# Altium PCB GN-1846-A-V2.PcbDoc (part 2 of 4) (continued)
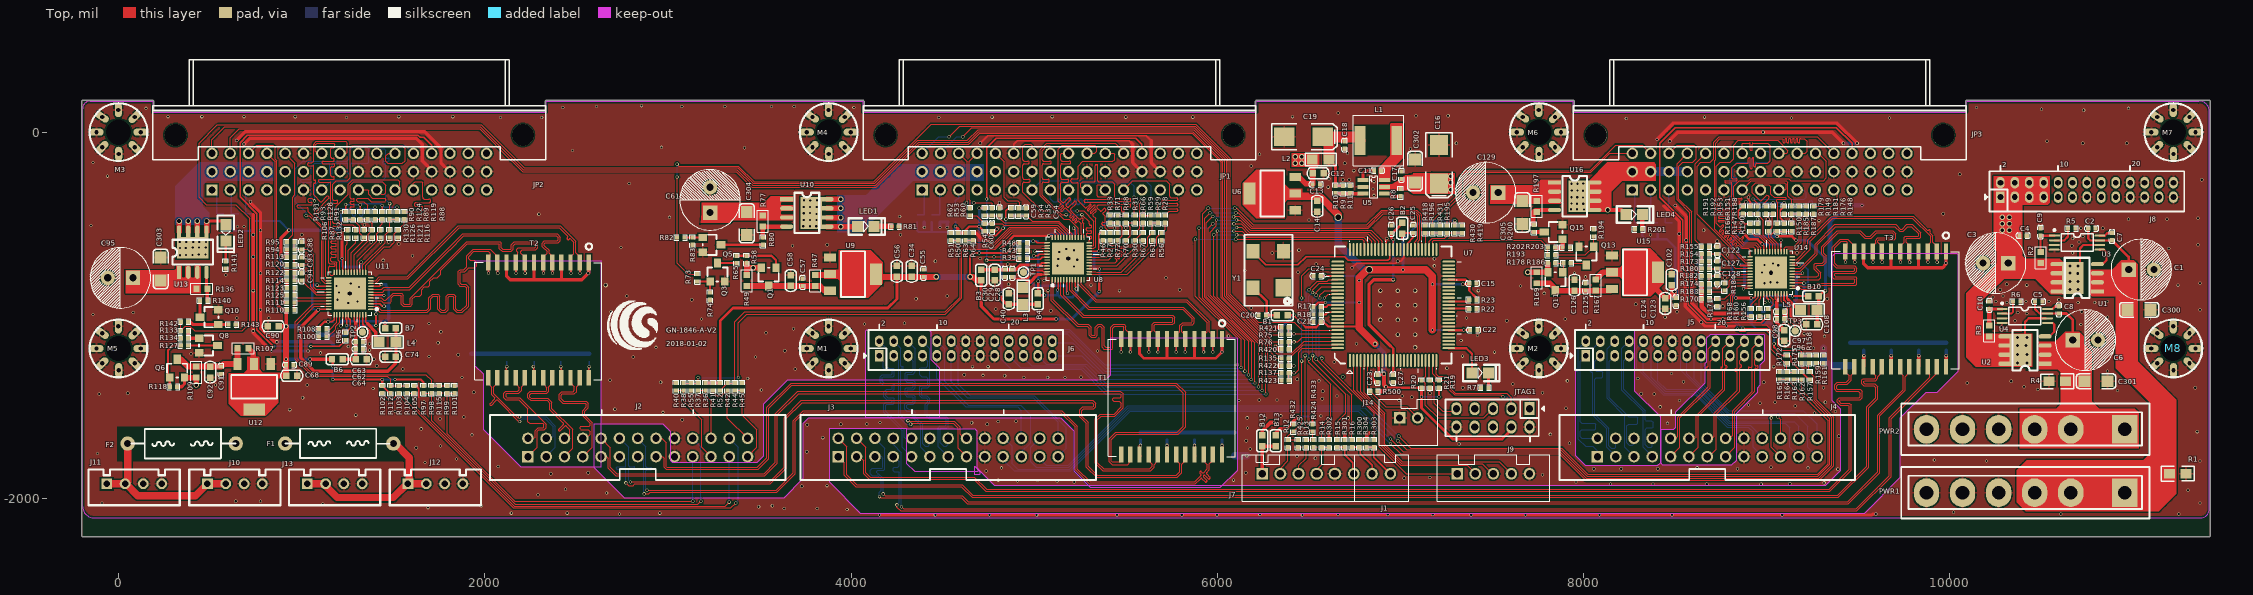
[diagram p0: Top view]
## Nets (pads, with @x,y where several pads share a name; then routed paths per layer and width w, separated by ;. In a path a pad name is that pad's centre, name@x,y a point inside that pad or via, vN(x,y) a via of type N, cw(c..) or ccw(c..) an arc to the next point about the centre after c; other vN are vias at no path point) (continued)
BRGMII_RXD3: JP2.C10 R93.1 | length 541.2
  Top w5: R93.1@1280,-435 1265,-420 1265,-412.75 cw(c1270.25,-412.75) 1270.25,-407.5 1282.75,-407.5 ccw(c1282.75,-402.25) 1288,-402.25 1288,-397.75 ccw(c1282.75,-397.75) 1282.75,-392.5 1270.25,-392.5 cw(c1270.25,-387.25) 1265,-387.25 1265,-382.75 cw(c1270.25,-382.75) 1270.25,-377.5 1282.75,-377.5 ccw(c1282.75,-372.25) 1288,-372.25 1288,-367.75 ccw(c1282.75,-367.75) 1282.75,-362.5 1270.25,-362.5 cw(c1270.25,-357.25) 1265,-357.25 1265,-290 1285,-270 1440,-270 1460,-290 1460,-330 1450,-340 1434.32,-340 JP2.C10@1409.84,-315.52
BRGMII_RXDV: JP2.C12 R88.1 | length 502.3
  Top w5: R88.1@1560,-435 1650,-435 1660,-425 1660,-410 ccw(c1655,-410) 1655,-405 1625,-405 cw(c1625,-395) 1615,-395 cw(c1625,-395) 1625,-385 1695,-385 ccw(c1695,-375) 1705,-375 ccw(c1695,-375) 1695,-365 1670,-365 cw(c1670,-355) 1660,-355 1660,-275 1655,-270 1620,-270 1609.84,-280.16 JP2.C12@1609.84,-315.52
BRGMII_TXCKOUT: JP2.A11 U11.22 | length 1455.4
  Top w5: U11.22@1208.03,-765.88 1208.03,-708.03 1200,-700 1200,-560 1170,-530 1170,-517.75 cw(c1175.25,-517.75) 1175.25,-512.5 1201.19,-512.5 ccw(c1201.19,-507.25) 1206.44,-507.25 1206.44,-502.75 ccw(c1201.19,-502.75) 1201.19,-497.5 1175.25,-497.5 cw(c1175.25,-492.25) 1170,-492.25 1170,-392.75 cw(c1175.25,-392.75) 1175.25,-387.5 1191.19,-387.5 ccw(c1191.19,-382.25) 1196.44,-382.25 1196.44,-377.75 ccw(c1191.19,-377.75) 1191.19,-372.5 1175.25,-372.5 cw(c1175.25,-367.25) 1170,-367.25 1170,-285 1190,-265 1250,-265 1265,-250 1265,-85 1275,-75 1550,-75 1565,-90 1565,-155 1550,-170 1470,-170 1460,-160 1460,-130 1474.48,-115.52 JP2.A11@1509.84,-115.52
BRGMII_TXD0: JP2.A7 U11.23 | length 1465.2
  Top w5: JP2.A7@1109.84,-115.52 1085.52,-115.52 1075,-105 1075,-69.14 1084.14,-60 1175,-60 1180,-65 1180,-80 1175,-85 1165,-85 1160,-90 1160,-137.25 ccw(c1165.25,-137.25) 1165.25,-142.5 1173.27,-142.5 cw(c1173.27,-147.75) 1178.52,-147.75 1178.52,-152.25 cw(c1173.27,-152.25) 1173.27,-157.5 1118.24,-157.5 ccw(c1118.24,-162.75) 1112.99,-162.75 1112.99,-167.25 ccw(c1118.24,-167.25) 1118.24,-172.5 1174.22,-172.5 cw(c1174.22,-177.75) 1179.47,-177.75 1179.47,-182.25 cw(c1174.22,-182.25) 1174.22,-187.5 1165.25,-187.5 ccw(c1165.25,-192.75) 1160,-192.75 1160,-237.25 ccw(c1165.25,-237.25) 1165.25,-242.5 1173.27,-242.5 cw(c1173.27,-247.75) 1178.52,-247.75 1178.52,-252.25 cw(c1173.27,-252.25) 1173.27,-257.5 1096.52,-257.5 1093.4,-260.63 1093.4,-270.1 1095.79,-272.5 1154.75,-272.5 cw(c1154.75,-277.75) 1160,-277.75 1160,-542.25 ccw(c1165.25,-542.25) 1165.25,-547.5 1171.19,-547.5 cw(c1171.19,-552.75) 1176.44,-552.75 1176.44,-557.25 cw(c1171.19,-557.25) 1171.19,-562.5 1165.25,-562.5 ccw(c1165.25,-567.75) 1160,-567.75 1160,-572.25 ccw(c1165.25,-572.25) 1165.25,-577.5 1184.75,-577.5 cw(c1184.75,-582.75) 1190,-582.75 1190,-587.25 cw(c1184.75,-587.25) 1184.75,-592.5 1165.25,-592.5 ccw(c1165.25,-597.75) 1160,-597.75 1160,-602.25 ccw(c1165.25,-602.25) 1165.25,-607.5 1184.75,-607.5 cw(c1184.75,-612.75) 1190,-612.75 1190,-617.25 cw(c1184.75,-617.25) 1184.75,-622.5 1165.25,-622.5 ccw(c1165.25,-627.75) 1160,-627.75 1160,-632.25 ccw(c1165.25,-632.25) 1165.25,-637.5 1184.75,-637.5 cw(c1184.75,-642.75) 1190,-642.75 1190,-647.25 cw(c1184.75,-647.25) 1184.75,-652.5 1165.25,-652.5 ccw(c1165.25,-657.75) 1160,-657.75 1160,-662.25 ccw(c1165.25,-662.25) 1165.25,-667.5 1184.75,-667.5 cw(c1184.75,-672.75) 1190,-672.75 1190,-677.25 cw(c1184.75,-677.25) 1184.75,-682.5 1165.25,-682.5 ccw(c1165.25,-687.75) 1160,-687.75 1160,-702.5 1164.18,-706.68 1186.68,-706.68 1192.28,-712.28 U11.23@1192.28,-765.88
BRGMII_TXD1: JP2.A8 U11.24 | length 1432.9
  Top w5: 1084.72,-438.82 1081.54,-435.63 cw(c1085.25,-431.92) 1081.53,-428.22 1148.46,-361.28 ccw(c1144.75,-357.57) 1148.47,-353.87 1145.28,-350.68 ; 1084.73,-438.83 ccw(c1088.43,-435.1) 1092.13,-438.83 ; 1092.14,-438.82 1137.86,-393.1 cw(c1141.57,-396.81) 1145.27,-393.09 ; 1137.86,-350.68 1109.65,-378.88 cw(c1105.94,-375.17) 1102.23,-378.89 1065,-341.66 1065,-282.75 cw(c1070.25,-282.75) 1070.25,-277.5 1072.75,-277.5 ccw(c1072.75,-272.25) 1078,-272.25 1078,-267.75 ccw(c1072.75,-267.75) 1072.75,-262.5 1070.25,-262.5 cw(c1070.25,-257.25) 1065,-257.25 1065,-185 ccw(c1062.5,-185) 1062.5,-182.5 1037.25,-182.5 cw(c1037.25,-177.25) 1032,-177.25 1032,-172.75 cw(c1037.25,-172.75) 1037.25,-167.5 1055,-167.5 1065,-157.5 1065,-65 1080,-50 1240,-50 1250,-60 1250,-110 1244.48,-115.52 JP2.A8@1209.84,-115.52 ; 1137.87,-350.67 cw(c1141.57,-354.39) 1145.27,-350.67 ; 1141.47,-418.13 1148.34,-425 1148.34,-712.25 ccw(c1153.59,-712.25) 1153.59,-717.5 1177.03,-717.5 cw(c1177.03,-722.75) 1182.28,-722.75 1182.28,-727.25 cw(c1177.03,-727.25) 1177.03,-732.5 1153.59,-732.5 ccw(c1153.59,-737.75) 1148.34,-737.75 1148.34,-768.34 1160,-780 1170,-780 1176.54,-773.46 U11.24@1176.54,-765.88 ; 1141.46,-418.12 cw(c1145.18,-414.42) 1141.46,-410.71 1148.46,-403.71 ccw(c1144.75,-400) 1148.47,-396.29 1145.28,-393.1
BRGMII_TXD2: JP2.A9 U11.25 | length 1458.2
  Top w5: v1(1070,-405) 1070,-445 1130.39,-505.39 1130.39,-789.61 1135,-794.23 U11.25@1148.19,-794.23
  Bottom w5: v1(1070,-405) 1053.5,-388.5 1053.5,-277.75 ccw(c1048.25,-277.75) 1048.25,-272.5 1000.75,-272.5 cw(c1000.75,-267.25) 995.5,-267.25 995.5,-262.75 cw(c1000.75,-262.75) 1000.75,-257.5 1051,-257.5 ccw(c1051,-255) 1053.5,-255 1053.5,-186.5 1070,-170 1147.25,-170 cw(c1147.25,-175.25) 1152.5,-175.25 1152.5,-222.75 ccw(c1157.75,-222.75) 1157.75,-228 1162.25,-228 ccw(c1162.25,-222.75) 1167.5,-222.75 1167.5,-175.25 cw(c1172.75,-175.25) 1172.75,-170 1247.25,-170 cw(c1247.25,-175.25) 1252.5,-175.25 1252.5,-222.75 ccw(c1257.75,-222.75) 1257.75,-228 1262.25,-228 ccw(c1262.25,-222.75) 1267.5,-222.75 1267.5,-175.25 cw(c1272.75,-175.25) 1272.75,-170 1360,-170 1365,-165 1365,-90 1355,-80 1325,-80 1309.84,-95.16 JP2.A9@1309.84,-115.52
BRGMII_TXD3: JP2.A10 U11.26 | length 1456.6
  Top w5: v1(1070,-375) 1055,-360 1040,-360 1035,-365 1035,-377.25 ccw(c1040.25,-377.25) 1040.25,-382.5 1052.38,-382.5 cw(c1052.38,-387.75) 1057.63,-387.75 1057.63,-392.25 cw(c1052.38,-392.25) 1052.38,-397.5 982.25,-397.5 ccw(c982.25,-402.75) 977,-402.75 977,-407.25 ccw(c982.25,-407.25) 982.25,-412.5 1029.75,-412.5 cw(c1029.75,-417.75) 1035,-417.75 1035,-435 1119.02,-519.02 1119.02,-800.84 1128.15,-809.97 U11.26@1148.19,-809.97
  Bottom w5: v1(1070,-375) 1070,-290 1100,-260 1445,-260 1460,-245 1460,-177.75 ccw(c1454.75,-177.75) 1454.75,-172.5 1447.25,-172.5 cw(c1447.25,-167.25) 1442,-167.25 1442,-162.75 cw(c1447.25,-162.75) 1447.25,-157.5 1472.75,-157.5 ccw(c1472.75,-152.25) 1478,-152.25 1478,-147.75 ccw(c1472.75,-147.75) 1472.75,-142.5 1465.25,-142.5 cw(c1465.25,-137.25) 1460,-137.25 1460,-100 1450,-90 1435.37,-90 JP2.A10@1409.84,-115.52
BRGMII_TXEN: JP2.A12 U11.27 | length 1468
  Top w5: v1(1025,-455) 1040.86,-455 1108.15,-522.29 1108.15,-808.15 1125.72,-825.72 U11.27@1148.19,-825.72
  Bottom w5: v1(1025,-455) 1025,-440 965,-380 965,-200 1005,-160 1245,-160 1260,-145 1260,-100 1290,-70 1564.32,-70 JP2.A12@1609.84,-115.52
C3.3V: B1.2 C20.2 Y1.4 | length 237
  Top w15: Y1.4@6194.61,-849.69 6270,-925.09 6270,-1000 B1.2@6325.47,-1000
C3V3A: B11.1 C109.1 C110.1 C111.1 U14.6 U14.41 | length 520.6
  Top w8: U14.41@8999.77,-881.81 8999.77,-904.77 v1(9015,-920) ; U14.6@9138.35,-774.72 9190.28,-774.72 v1(9195,-770)
  Bottom w8: v1(9015,-920) 9035,-940 C109.1@9035,-945
  Bottom w10: C110.1@9162.55,-772.22 9192.78,-772.22 v1(9195,-770) ; C110.1@9162.92,-771.85 C110.1@9162.92,-766.85
  Bottom w15: B11.1@8974.53,-980 8985,-980 9012.5,-952.5 C109.1@9027.5,-952.5 ; C109.1@9035.47,-945.47 C111.1@9095,-945.47 9129.53,-945.47 9162.55,-912.45 C110.1@9162.55,-772.22 C110.1@9162.92,-771.85
C3V3D: B9.2 B11.2 C99.1 C100.1 C101.1 C102.1 C123.1 C124.1 R154.1 R157.1 R162.1 R166.2 R167.1 R168.2 R170.2 R172.2 R173.2 R174.2 R179.2 R183.2 R185.2 R188.2 R191.2 R415.2 R416.2 R417.2 U14.15 U14.21 U14.37 U15.2 U15.4 | length 3894
  Top w8: R191.2@8870,-405 8845,-430 8845,-465 8880,-500 8880,-505 ; v2(8875,-990) 8890,-1005 R168.2@8915,-1005 ; v1(8880,-545) 8880,-505 ; R166.2@8910,-500 8885,-500 8880,-505 ; v1(8915,-905) 8930,-905 8936.78,-898.22 U14.37@8936.78,-881.81 ; v1(8975,-610) 8984.02,-619.02 U14.21@8984.02,-651.89 ; U14.15@9077.55,-650.93 v1@9077.55,-585 ; R185.2@9095,-500 9095,-490 9072.5,-467.5 9072.5,-427.5 R179.2@9095,-405
  Top w10: R191.2@8870,-405 8870,-395 v1(8885,-380) ; R188.2@9035,-405 v1(9035,-385) ; v1(9040,-1155) 9040,-1175 9085,-1220 9125,-1220 9135,-1230 9135,-1255 9230,-1350 R157.1@9235,-1350 ; R179.2@9095,-405 v1(9095,-385)
  Top w12: v1(8615,-785) 8615,-820 8625,-830 R174.2@8645,-830 ; v1(8620,-705) R173.2@8645,-705 R154.1@8645,-665
  Top w15: v1(8880,-545) 8880,-560 8905,-585 8950,-585 v1(8975,-610)
  Top w18: v1(8830,-905) v1(8915,-905)
  Top w24: C124.1@8445,-905.47 8459.53,-905.47 v2(8495,-870) ; C102.1@8480,-834.53 8480,-855 v2(8495,-870) ; C123.1@8505,-905 8495,-895 v2(8495,-870) ; v2(8620,-870) R183.2@8645,-870 ; R174.2@8645,-830 R183.2@8645,-870 ; v2(8875,-990) 8681.77,-990 8645,-953.23 R170.2@8645,-910 R183.2@8645,-870
  Top w30: U15.4@8400,-805 8400,-860.47 C124.1@8445,-905.47
  Top w32: R167.1@8065,-805 8105,-765 U15.2@8155,-765
  Bottom w8: v1(8915,-905) C99.1@8940,-905
  Bottom w10: v1(8885,-380) 8890,-385 v1(9035,-385) v1(9095,-385) ; B9.2@8915.47,-1040 8915.47,-1045.47 8945,-1075 9020,-1075 9040,-1095 v1(9040,-1155)
  Bottom w12: R417.2@8320,-535 8320,-565 8340,-585 8405,-585 ; R415.2@8445,-535 R416.2@8405,-535 8405,-585 ; v2(8495,-870) 8500,-865 8500,-630 8455,-585 8405,-585 ; v1@8612.5,-782.5 8620,-775 v1(8620,-705) ; C101.1@9075,-612.32 9077.55,-609.77 v1(9077.55,-590)
  Bottom w15: v1(8830,-905) 8810,-885 8810,-595 8860,-545 v1(8880,-545) ; C100.1@8988.39,-612.32 C101.1@9075,-612.32
  Bottom w18: v1(8915,-905) 8915,-969.53 B11.2@8915.47,-970 B9.2@8915.47,-1040
  Bottom w24: v2(8495,-870) v2(8620,-870) ; v2(8875,-990) 8895.47,-990
C5V: C125.1 C126.1 Q11.3 R167.2 R169.1 U15.3 | length 417.6
  Top w30: R169.1@7745,-825 7815,-825 7855,-865 R167.2@8065,-865 U15.3@8146,-865
C_MCLK: JP3.A3 R180.1 | length 997.8
  Top w5: JP3.A3@8465.75,-115.52 8511.27,-70 8600,-70 8615,-85 8615,-145 8595,-165 8540,-165 8520,-185 8520,-365 8590,-435 8590,-715.86 8619.14,-745 R180.1@8645,-745 8620,-745
C_MDIO: JP3.A4 R182.1 | length 748.5
  Top w5: JP3.A4@8565.75,-115.52 8510,-171.27 8510,-369.14 8580,-439.14 8580,-720 R182.1@8645,-785
C_MX1_N: J3.8 T3.22 | length 6562
  Top w6: v1(4275,-2045) 4287,-2057 9488,-2057 9669,-1876 9669,-1560.44 9890,-1339.44 9890,-1325 9878.15,-1313.15 T3.22@9878.15,-1280.8 T3.22@9875,-1283.95
  Bottom w6: J3.8@4230,-1671.65 4230,-1705 4275,-1750 v1(4275,-2045)
C_MX1_P: J3.7 T3.23 | length 6572.5
  Top w6: v1(4250,-2035) 4250,-2048 4270,-2068 9492.56,-2068 9680,-1880.56 9680,-1565 9928.15,-1316.85 T3.23@9928.15,-1280.8
  Bottom w6: J3.7@4230,-1771.65 4235.65,-1771.65 4264,-1800 4264,-1821 4255,-1830 4235,-1830 4230,-1835 4230,-1850 4235,-1855 4260,-1855 4264,-1859 4264,-2021 v1(4250,-2035)
C_MX2_N: J3.6 T3.19 | length 6569.9
  Top w6: v1(4175,-1975) 4186,-1986 4607,-1986 4640,-2019 9441,-2019 9605,-1855 9605,-1545 9744.72,-1405.28 9744.72,-1329.72 9728.15,-1313.15 T3.19@9728.15,-1280.8
  Top w8: T3.19@9728.15,-1313.15 T3.19@9728.15,-1280.8
  Bottom w6: J3.6@4130,-1671.65 4185,-1726.65 4185,-1840 4179,-1846 4145,-1846 4140,-1851 4140,-1860 4144,-1864 4149.56,-1864 4175,-1889.44 v1(4175,-1975)
C_MX2_P: J3.5 T3.20 | length 6559.8
  Top w6: v1(4155,-1990) 4162,-1997 4602.44,-1997 4635.44,-2030 9445.56,-2030 9616,-1859.56 9616,-1549.56 9755.72,-1409.83 9755.72,-1334.28 9778.15,-1311.85 T3.20@9778.15,-1280.8
  Bottom w6: J3.5@4130.65,-1771.65 J3.5@4130,-1771.65 4131.65,-1770 4164,-1770 4174,-1780 4174,-1830.44 4169.44,-1835 4115,-1835 4105,-1845 4105,-1865 4115,-1875 4145,-1875 4164,-1894 4164,-1956 4155,-1965 v1(4155,-1990)
C_MX3_N: J3.2 T3.16 | length 6628.8
  Top w6: J3.2@3930,-1671.65 3975,-1716.65 3975,-1870 4030,-1925 4607,-1925 4665,-1983 9387,-1983 9545,-1825 9545,-1500 9595,-1450 9595,-1395 9585,-1385 9530.44,-1385 9519,-1373.56 9519,-1351.44 9525.44,-1345 9590,-1345 9595,-1340 9595,-1330 9578.15,-1313.15 T3.16@9578.15,-1280.8 T3.16@9580,-1282.65
  Top w8: T3.16@9578.15,-1303.15 T3.16@9578.15,-1280.8
C_MX3_P: J3.1 T3.17 | length 6561.7
  Top w6: J3.1@3930,-1771.65 3963.35,-1805 3963.35,-1873.9 4025.44,-1936 4602.44,-1936 4660.44,-1994 9391.56,-1994 9556,-1829.56 9556,-1504.56 9606,-1454.56 9606,-1390.44 9589.56,-1374 9535,-1374 9530,-1369 9530,-1360 9534,-1356 9594.56,-1356 9606,-1344.56 9606,-1335 9628.15,-1312.85 T3.17@9628.15,-1280.8
  Top w8: T3.17@9628.15,-1306.85 T3.17@9628.15,-1280.8
C_MX4_N: J3.4 T3.13 | length 6586.4
  Top w6: J3.4@4030,-1671.65 4080,-1721.65 4080,-1860 4103.56,-1883.56 4673.56,-1883.56 4740,-1950 9340,-1950 9449,-1841 9449,-1494 9445,-1490 9400,-1490 9385,-1475 9385,-1460 9396,-1449 9505.44,-1449 9509,-1445.44 9509,-1425 9499,-1415 9380,-1415 9370,-1405 9370,-1380 9385,-1365 9434,-1365 9449,-1350 9449,-1329 9428.15,-1308.15 T3.13@9428.15,-1280.8
C_MX4_P: J3.3 T3.14 | length 6529.3
  Top w6: J3.3@4030,-1771.65 4045.65,-1771.65 4069,-1795 4069,-1864.56 4099,-1894.56 4669,-1894.56 4735.44,-1961 9344.56,-1961 9460,-1845.56 9460,-1489.44 9449.56,-1479 9404.56,-1479 9396,-1470.44 9396,-1464.56 9400.56,-1460 9510,-1460 9520,-1450 9520,-1415 9509,-1404 9385,-1404 9381,-1400 9381,-1384.56 9389.56,-1376 9438.56,-1376 9460,-1354.56 9460,-1326.85 9478.15,-1308.7 T3.14@9478.15,-1280.8
C_TD1_N: C114.2 T3.3 U14.10 | length 1121.8
  Top w6: U14.10@9138.35,-711.73 9163.83,-711.73 9236,-639.56 9236,-594.56 9360.56,-470 9794.44,-470 9894,-569.56 9894,-601 9878.6,-616.4 T3.3@9878.6,-643.2
  Top w8: v1@9878.15,-708.15 v1(9880,-710) ; T3.3@9879.94,-620 9878.6,-643.2 T3.3@9878.15,-650.88 T3.3@9880,-652.73
  Top w10: v1@9878.15,-708.15 T3.3@9878.15,-650.88
  Bottom w10: v1(9880,-710) C114.2@9880,-685
C_TD1_P: C120.2 T3.2 U14.11 | length 1134.2
  Top w6: U14.11@9138.35,-695.98 9164.02,-695.98 9225,-635 9225,-590 9356,-459 9799,-459 9875,-535 ccw(c9879.24,-530.76) 9883.49,-535 cw(c9887.73,-539.24) 9891.97,-535 cw(c9887.73,-539.24) 9891.97,-543.49 ccw(c9896.21,-547.73) 9891.97,-551.97 9905,-565 9905,-600 9928.15,-623.15 T3.2@9928.15,-640 ; v1@9928.15,-708.15 v1(9930,-710)
  Top w8: U14.11@9138.35,-695.98 9154.26,-695.98
  Top w10: v1@9928.15,-708.15 T3.2@9928.15,-650.88
  Bottom w10: v1(9930,-710) C120.2@9930,-685
C_TD2_N: C118.2 T3.6 U14.7 | length 1122.9
  Top w6: U14.7@9138.35,-758.98 9181.58,-758.98 9275,-665.56 9275,-615.56 9375.56,-515 9700,-515 9725,-540 9745,-540 9770,-515 9790,-515 9829,-554 9829,-565 9825,-569 9756,-569 9750,-575 9750,-600 9730,-620 T3.6@9730,-652.73
  Top w8: T3.6@9728.15,-650.88 T3.6@9730,-652.73
  Top w10: v1(9730,-710) T3.6@9730,-652.73
  Bottom w10: v1(9730,-710) C118.2@9730,-685
C_TD2_P: C119.2 T3.5 U14.8 | length 1142
  Top w6: U14.8@9138.35,-743.23 9181.77,-743.23 9264,-661 9264,-611 9371,-504 9704.56,-504 9729.56,-529 9740.44,-529 9765.44,-504 9794.56,-504 9840,-549.44 9840,-575 9835,-580 9765,-580 9761,-584 9761,-601 9780,-620 T3.5@9780,-652.73 ; v1@9778.15,-708.15 v1(9780,-710)
  Top w8: T3.5@9778.15,-650.88 T3.5@9780,-652.73
  Top w10: v1@9778.15,-708.15 T3.5@9778.15,-650.88
  Bottom w10: v1(9780,-710) C119.2@9780,-685
C_TD3_N: C116.2 T3.9 U14.4 | length 1136.5
  Top w6: U14.4@9138.35,-806.22 9283.78,-806.22 9294.56,-795.44 9294.56,-768.56 9270,-744 9270,-731 9275,-726 9308.56,-726 9325,-709.56 9325,-675.44 9311,-661.44 9311,-629.56 9390.56,-550 9505,-550 9535,-580 9570,-580 9600,-550 9684.44,-550 9694,-559.56 9694,-573 9690,-577 9607.17,-577 9594.72,-589.44 9594.72,-605.28 ; v1@9578.15,-708.15 v1(9580,-710) ; T3.9@9580,-652.73 9580,-620 9594.72,-605.28 ; 9593.82,-604.37 9594.72,-605.28
  Top w8: T3.9@9578.15,-621.85 T3.9@9578.15,-650.88 T3.9@9580,-652.73
  Top w10: v1@9578.15,-708.15 T3.9@9578.15,-650.88
  Bottom w10: v1(9580,-710) C116.2@9580,-685
C_TD3_P: C117.2 T3.8 U14.5 | length 1156.3
  Top w6: U14.5@9138.35,-790.47 9273.09,-790.47 9283.56,-780 9283.56,-773.56 9259,-749 9259,-721.44 9265.44,-715 9304,-715 9314,-705 9314,-680 9300,-666 9300,-625 9386,-539 9509.56,-539 9539.56,-569 9565.44,-569 9595.44,-539 9689,-539 9705,-555 9705,-580 9697,-588 9611.72,-588 9605.72,-594 9605.72,-600.72 T3.8@9628.15,-623.15 ; T3.8@9630,-652.73 T3.8@9630,-618.15
  Top w8: v1@9628.15,-708.15 v1(9630,-710) ; T3.8@9628.15,-623.15 T3.8@9628.15,-650.88 T3.8@9630,-652.73
  Top w10: v1@9628.15,-708.15 T3.8@9628.15,-650.88
  Bottom w10: v1(9630,-710) C117.2@9630,-685
C_TD4_N: C113.2 T3.12 U14.1 | length 1130.1
  Top w6: U14.1@9138.35,-853.46 9183.46,-853.46 9186.91,-856.91 9263.65,-856.91 9283.91,-836.64 9484.56,-836.64 9491,-830.2 9491,-796.44 9484.56,-790 9375,-790 9370,-785 9370,-775 9375,-770 9480,-770 9491.44,-758.56 9491.44,-741.89 9479.56,-730 9385,-730 9370,-715 9370,-630.56 9405.56,-595 9435,-595 9440,-600 9440,-630 T3.12@9430,-640 ; v1@9428.15,-708.15 v1(9430,-710)
  Top w8: U14.1@9138.35,-853.46 9156.01,-853.46
  Top w10: v1@9428.15,-708.15 T3.12@9428.15,-650.88
  Bottom w10: v1(9430,-710) C113.2@9430,-685
C_TD4_P: C115.2 T3.11 U14.2 | length 1157.7
  Top w6: U14.2@9138.35,-837.72 9187.72,-837.72 9195,-845 9260,-845 9279.36,-825.64 9474.36,-825.64 9480,-820 9480,-805 9476,-801 9366,-801 9359,-794 9359,-765.44 9365.44,-759 9475.44,-759 9480.44,-754 9480.44,-746.44 9475,-741 9380.44,-741 9358.09,-718.65 9358.09,-626.91 9401,-584 9443,-584 9478.15,-619.15 T3.11@9478.15,-650.88
  Top w8: v1@9478.15,-708.15 v1(9480,-710) ; T3.11@9480,-652.73 T3.11@9478.15,-650.88 T3.11@9480,-649.03
  Top w10: v1@9478.15,-708.15 T3.11@9478.15,-650.88
  Bottom w10: v1(9480,-710) C115.2@9480,-685
CEPHY_CLK: JP3.A13 R156.1 | length 2611.2
  Top w8: R156.1@9005,-1005 8970,-1040 8669.54,-1040 8572,-942.46 8572,-772 8540,-740 8540,-480 8415,-355 8415,-60 8500,25 9379.91,25 9465.75,-60.84 JP3.A13@9465.75,-115.13
CEPHY_RSTN: JP3.A5 R155.1 | length 547.1
  Top w5: R155.1@8645,-625 8610,-590 8610,-171.27 JP3.A5@8665.75,-115.52
CGE0_ENREG: R168.1 U14.38 | length 98.7
  Top w5: R168.1@8915,-965 8915,-940 8952.52,-902.48 U14.38@8952.52,-881.81
CGE0_INT_N: R166.1 U14.20 | length 174.9
  Top w5: R166.1@8910,-540 8935,-565 8955,-565 8999.77,-609.77 U14.20@8999.77,-651.89 U14.20@8999.77,-637.78
CGE0_LED0: R163.1 R164.1 R172.1 U14.34 | length 834
  Top w5: v1(8795,-955) 8803.5,-946.5 8803.5,-892.36 8815,-880.86 8815,-835 8828.03,-821.97 U14.34@8908.43,-821.97 ; v1(8840,-1075) 8851.5,-1086.5 8883.5,-1086.5 8890,-1080 8995,-1080 9023.5,-1108.5 9023.5,-1185 R172.1@9098.5,-1260 ; R172.1@9110,-1260 R164.1@9110,-1310 R163.1@9150,-1310
  Bottom w5: v1@8800,-960 8800,-1015 8840,-1055 v1(8840,-1075)
CGE0_LED1: R158.1 R159.1 R175.1 U14.35 | length 828.2
  Top w5: 8813.5,-953.5 8813.5,-896.5 8825,-885 8825,-840 8827.28,-837.72 U14.35@8908.43,-837.72 ; v1(8870,-1070) 9000.86,-1070 9060,-1129.14 9060,-1165 9085,-1190 9180,-1190 9190,-1200 R175.1@9190,-1220 R159.1@9270,-1220
  Bottom w5: v1(8820,-960) 8820,-1020 v1(8870,-1070)
CGE0_LED2: R183.1 R184.1 U14.32 | length 283.9
  Top w5: R183.1@8690,-870 R183.1@8685,-870 8765,-870 R184.1@8770,-865 ; R184.1@8775,-865 R184.1@8770,-865 ; U14.32@8908.43,-790.47 8814.53,-790.47 8795,-810 8795,-840 R184.1@8770,-865
CGE0_PME: R170.1 R171.1 U14.33 | length 299.1
  Top w5: R170.1@8685,-910 R171.1@8730,-910 8770.86,-910 8805,-875.86 8805,-820 8818.78,-806.22 U14.33@8908.43,-806.22
CGE0_RXCLK: R147.2 U14.19 | length 139
  Top w5: R147.2@8950,-540 8950,-545.86 9015.52,-611.38 U14.19@9015.52,-651.89
CGE0_RXCTL: R148.2 R176.1 U14.13 | length 560.8
  Top w5: U14.13@9110,-651.89 9110,-640 9114,-636 9154,-636 9171.5,-618.5 9171.81,-618.5 9188.93,-601.38 9188.93,-539.5 cw(c9193.43,-539.5) 9193.43,-535 9229.43,-535 ccw(c9229.43,-530.5) 9233.93,-530.5 9233.93,-529.5 ccw(c9229.43,-529.5) 9229.43,-525 9193.43,-525 cw(c9193.43,-520.5) 9188.93,-520.5 9188.93,-519.5 cw(c9193.43,-519.5) 9193.43,-515 9229.43,-515 ccw(c9229.43,-510.5) 9233.93,-510.5 9233.93,-509.5 ccw(c9229.43,-509.5) 9229.43,-505 9193.43,-505 cw(c9193.43,-500.5) 9188.93,-500.5 9188.93,-499.5 cw(c9193.43,-499.5) 9193.43,-495 9229.43,-495 ccw(c9229.43,-490.5) 9233.93,-490.5 9233.93,-489.5 ccw(c9229.43,-489.5) 9229.43,-485 9193.43,-485 cw(c9193.43,-480.5) 9188.93,-480.5 9188.93,-471.07 R176.1@9215,-445 R148.2@9255,-445
CGE0_RXD0: R149.2 R179.1 R181.1 U14.14 | length 350.4
  Top w5: U14.14@9094.26,-651.89 9094.26,-633.29 9102.55,-625 9149.44,-625 9166.94,-607.5 9167.25,-607.5 9177.93,-596.82 9177.93,-447.93 R181.1@9175,-445 R179.1@9095,-445
CGE0_RXD1: R150.2 R185.1 R187.1 U14.16 | length 233.6
  Top w5: R150.2@9057.55,-542.55 R150.2@9055,-540 ; U14.16@9062.76,-651.89 9062.76,-612.76 9025,-575 9025,-560 9030,-555.02 9050,-535 R150.2@9055,-540 ; R187.1@9135,-540 R185.1@9095,-540 R150.2@9055,-540
CGE0_RXD2: R151.2 R188.1 R190.1 U14.17 | length 270.5
  Top w5: R151.2@8995,-445 R188.1@9030,-445 ; R188.1@9035,-445 R188.1@9030,-445 ; U14.17@9047.01,-651.89 9047.01,-612.57 9010,-575.56 R190.1@9010,-540 9030,-520 R188.1@9030,-445
CGE0_RXD3: R153.2 R191.1 R192.1 U14.18 | length 320.5
  Top w5: R191.1@8870,-445 R153.2@8950,-445 8950,-450 8980,-480 8980,-561.72 9031.26,-612.98 U14.18@9031.26,-651.89
CMAC_MDC: C127.2 R173.1 R180.2 U14.30 | length 269.2
  Top w5: R173.1@8685,-705 R180.2@8685,-745 C127.2@8730,-745 8743.98,-758.98 U14.30@8908.43,-758.98
CMAC_MDIO: C128.2 R174.1 R182.2 U14.31 | length 272.7
  Top w5: R174.1@8685,-830 R182.2@8685,-785 C128.2@8730,-785 8740.28,-774.72 U14.31@8908.43,-774.72
CON12VA: C1.1 C2.1 C7.1 C300.1 PWR1.1 PWR1.2 PWR1.3 R1.1 U1.1 U1.2 U1.3 U3.7 | length 2669.7
  Top w12: C2.1@10755,-525 10755,-580 10765.64,-590.64 U3.7@10818.26,-590.64 10884.36,-590.64 C7.1@10885,-590
  Top w15: PWR1.3@10462.87,-1968.76 PWR1.2@10659.72,-1968.76 PWR1.1@10955,-1968.76 11058.76,-1865 R1.1@11199.69,-1865 11185,-1850.32 11185,-1805 ; U1.1@10805,-870 U1.2@10805,-820 ; U1.3@10805,-770 U1.2@10805,-820 ; C7.1@10885,-590 10976.1,-681.1 10976.1,-820 ; 11185,-1828.76 11185,-1805 ; U1.2@10805,-820 10976.1,-820 ; 10976.1,-820 10976.1,-970 10976.1,-1276.1 11185,-1485 11185,-1805
CON12VB: C5.1 C6.1 C8.1 C301.1 PWR2.1 PWR2.2 PWR2.3 R4.1 U2.1 U2.2 U2.3 U4.7 | length 1680.7
  Top w5: U2.3@10500,-1165 C6.1@10671.1,-1165
  Top w12: C5.1@10465,-925 10465,-965 10490.64,-990.64 10585.64,-990.64 C8.1@10590,-995
  Top w15: PWR2.3@10462.87,-1622.31 PWR2.2@10659.72,-1622.31 ; C8.1@10595,-990 10635,-990 10671.1,-1026.1 C6.1@10671.1,-1135 10671.1,-1165 10671.1,-1319.21 R4.1@10630.32,-1360 C301.1@10735,-1360 10735,-1547.03 PWR2.2@10659.72,-1622.31 ; PWR2.1@10955,-1622.31 PWR2.2@10659.72,-1622.31
CPHY105: B10.1 C103.1 C104.1 C105.1 U14.3 U14.9 U14.40 | length 664
  Top w8: U14.40@8984.02,-881.81 8984.02,-924.02 v1(8990,-930) ; U14.9@9138.35,-727.48 9172.52,-727.48 v1(9175,-725)
  Top w10: U14.3@9138.35,-821.97 9199.52,-821.97 v1(9202.55,-825)
  Top w12: v1(9140,-895) B10.1@9225.47,-895
  Bottom w8: C105.1@8980,-909.51 8980,-910 C105.1@8985,-905 8985,-925 v1(8990,-930) ; v1(9175,-725) C103.1@9200,-725
  Bottom w10: C103.1@9200,-725 9225,-750 C104.1@9225,-825 v1(9202.55,-825)
  Bottom w12: C105.1@8985,-905 8995,-895 v1(9140,-895)
  Bottom w15: v1(9195,-895) 9202.55,-887.45 v1(9202.55,-825)
CRGMII_RXCK: JP3.C11 R147.1 | length 617.6
  Top w5: R147.1@8950,-500 v1(8950,-475)
  Bottom w5: v1(8950,-475) 8950,-430 8975,-405 9202,-405 cw(c9202,-413) 9210,-413 9210,-427 ccw(c9218,-427) 9218,-435 9222,-435 ccw(c9222,-427) 9230,-427 9230,-383 cw(c9238,-383) 9238,-375 9242,-375 cw(c9242,-383) 9250,-383 9250,-397 ccw(c9258,-397) 9258,-405 9280,-405 9295,-390 9295,-344.78 JP3.C11@9265.75,-315.52
CRGMII_RXD0: JP3.C7 R149.1 | length 412.6
  Top w5: JP3.C7@8865.75,-315.52 8916.27,-265 9105,-265 9115,-275 9115,-350 9135,-370 R149.1@9135,-405
CRGMII_RXD1: JP3.C8 R150.1 | length 395.6
  Top w5: JP3.C8@8965.75,-315.52 8965.75,-305.25 8985,-286 9011,-286 9022.52,-297.52 9022.52,-337.52 9040.02,-355.02 9099.98,-355.02 9104.95,-360 9104.95,-364.95 9102.41,-367.5 9057.5,-367.5 9055,-370 9055,-380 9060,-385 R150.1@9060,-495
CRGMII_RXD2: JP3.C9 R151.1 | length 490.7
  Top w5: 8972.72,-371.42 cw(c8967.07,-365.76) 8961.42,-371.42 8920,-330 8920,-295 8940,-275 9095,-275 9105,-285 9105,-310 9099.48,-315.52 JP3.C9@9065.75,-315.52 ; 8972.73,-371.41 8996.14,-348 cw(c9001.79,-353.66) 9007.45,-348 9010.28,-350.83 cw(c9004.62,-356.49) 9010.29,-362.14 8985,-387.43 ccw(c8988.79,-391.21) 8985,-395 R151.1@8995,-405
CRGMII_RXD3: JP3.C10 R153.1 | length 447.5
  Top w5: v1@8925,-360 v1(8925,-365) 8950,-390 ; 8940,-380 8950,-390 ; R153.1@8950,-405 8950,-390
  Bottom w5: v1@8925,-360 8927.5,-362.5 8930,-365 9205,-365 9215,-355 9215,-330 9201.27,-316.27 9165,-316.27 JP3.C10@9165.75,-315.52
CRGMII_RXDV: JP3.C12 R148.1 | length 209.9
  Top w5: R148.1@9255,-405 9355,-405 9385,-375 9385,-334.78 JP3.C12@9365.75,-315.52